# Altium PCB controller_V1.0.PcbDoc (part 6 of 8)
Units mm, origin at the board's own origin, x right, y up, seen from the top; angles counter-clockwise.
Board outline 284.13 x 175.13 mm, 4 copper layers (Top Layer, GND, VCC, Bottom Layer); 496 components, 415 nets, 1682 pads, 750 vias.
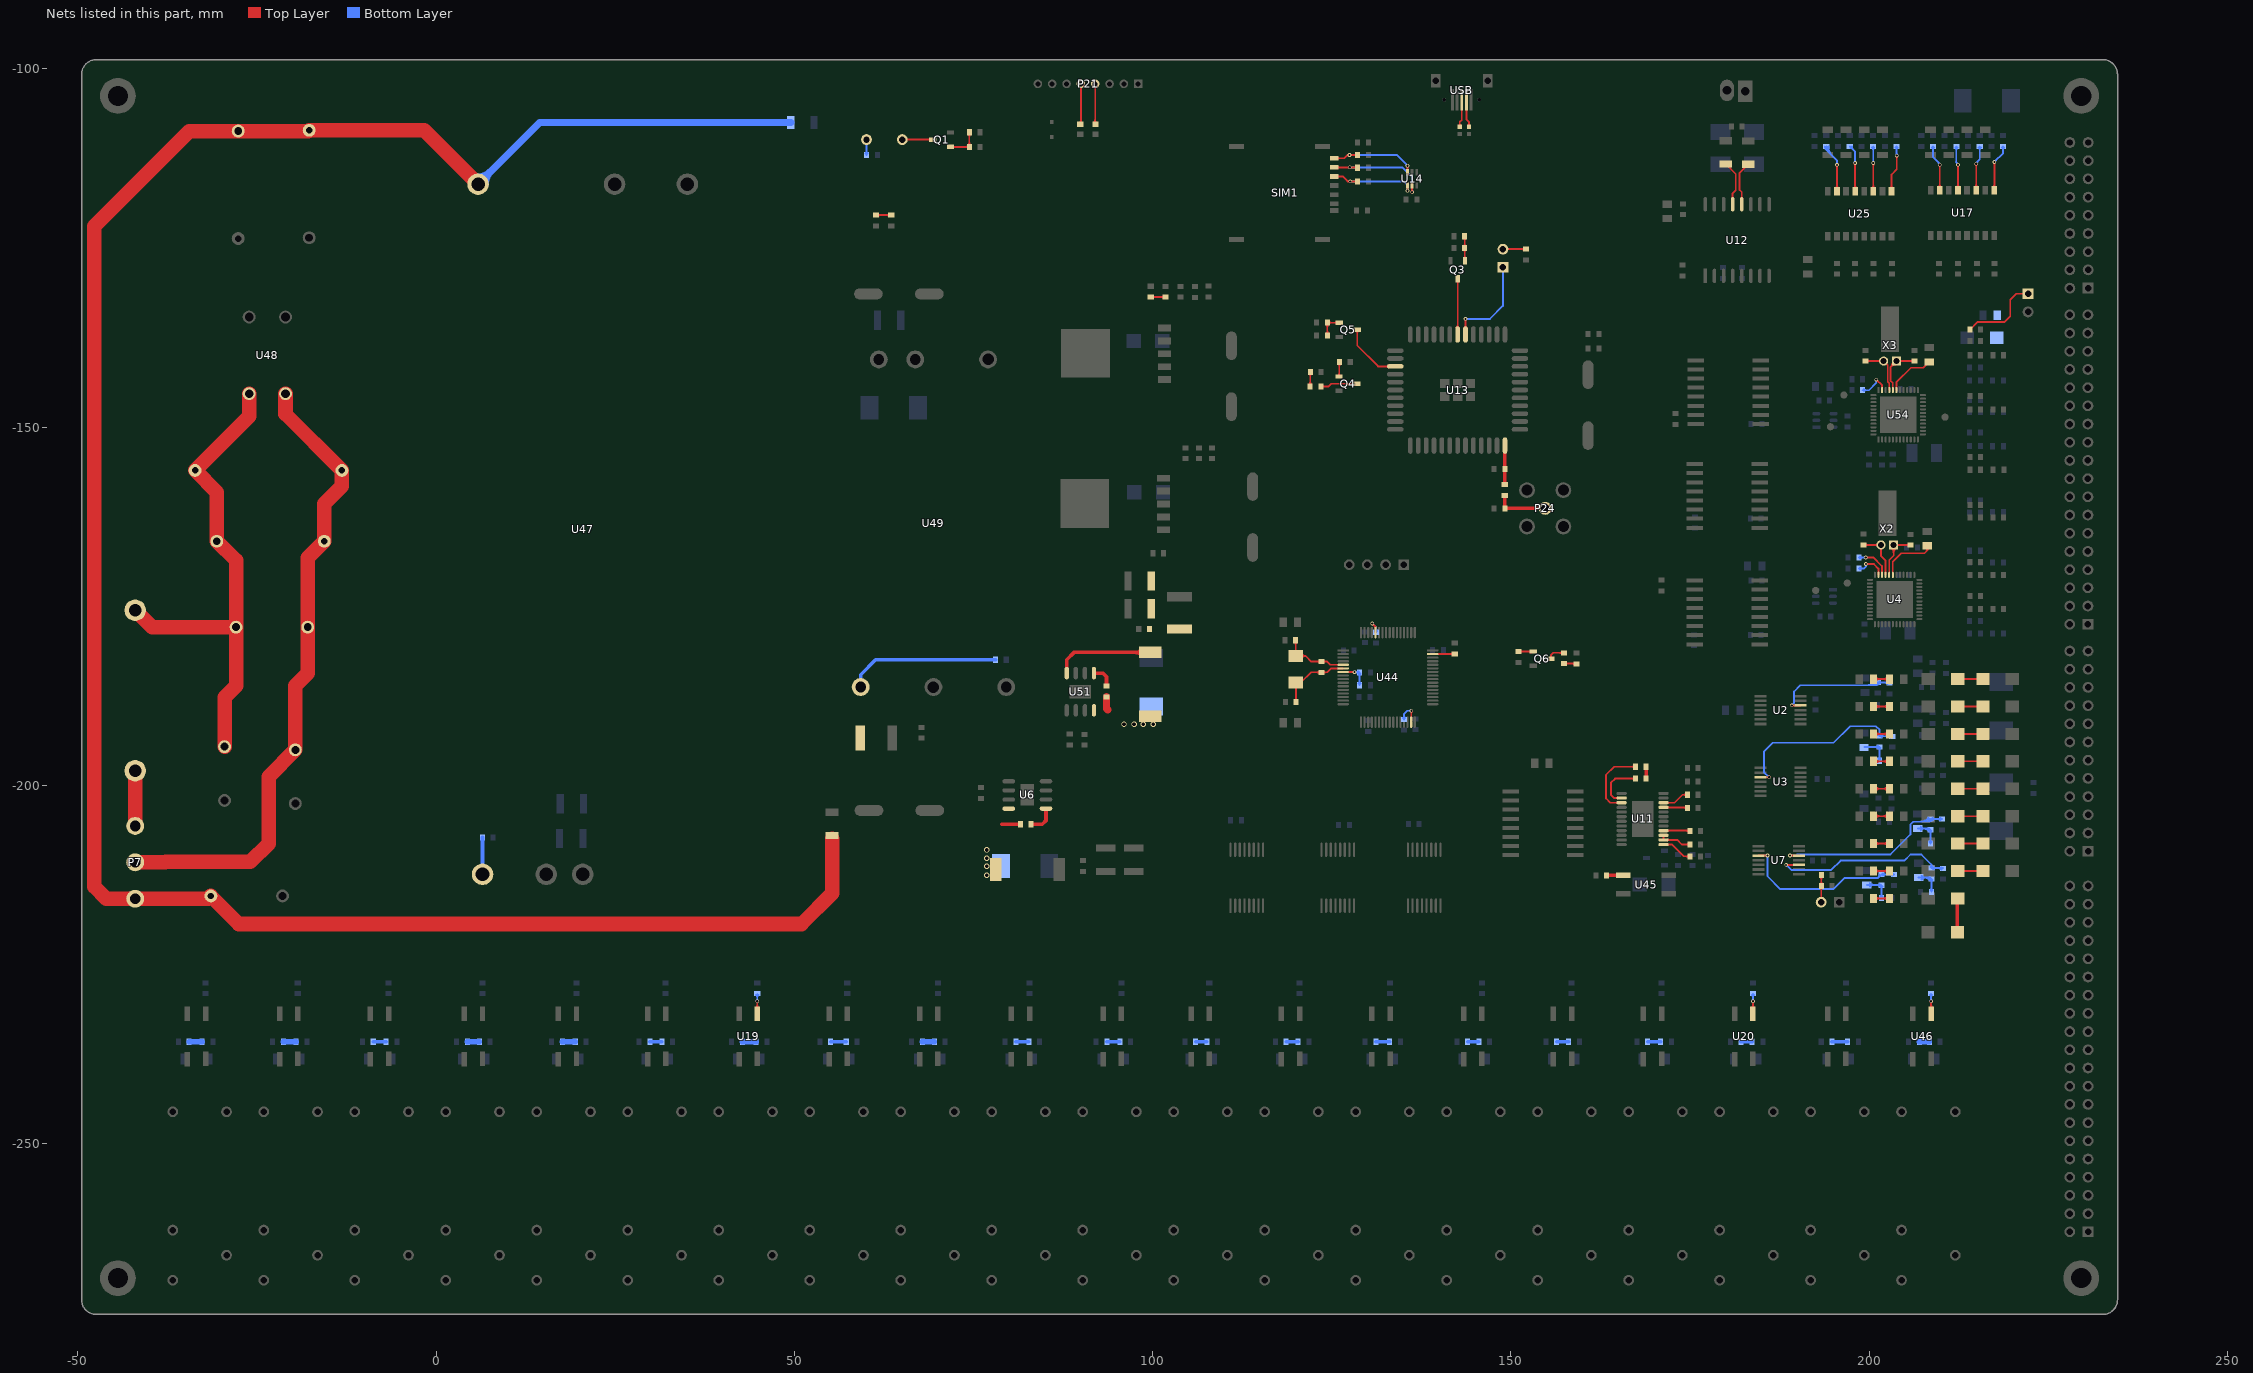
[diagram p8: the nets of this part, all layers, seen from the top]

## Via types
v1: diameter 0.508, hole 0.305, Top Layer to Bottom Layer, tented both sides, 596 vias
v2: diameter 1.016, hole 0.635, Top Layer to Bottom Layer, tented both sides, 65 vias
v3: diameter 0.6, hole 0.3, Top Layer to Bottom Layer, 50 vias
v4: diameter 0.762, hole 0.508, Top Layer to Bottom Layer, tented both sides, 29 vias
v5: diameter 2.032, hole 1.524, Top Layer to Bottom Layer, tented both sides, 4 vias
v6: diameter 3.048, hole 2.032, Top Layer to Bottom Layer, tented both sides, 3 vias
v7: diameter 1.5, hole 1, Top Layer to Bottom Layer, 2 vias
v8: diameter 2.54, hole 1.778, Top Layer to Bottom Layer, tented both sides, 1 vias

## Nets (pads, with @x,y where several pads share a name; then routed paths per layer and width w, separated by ;. In a path a pad name is that pad's centre, name@x,y a point inside that pad or via, vN(x,y) a via of type N, cw(c..) or ccw(c..) an arc to the next point about the centre after c; other vN are vias at no path point) (continued)
NetC17_2: C17.2 R30.1 U2.5 | length 22.6
  Top Layer w0.254: v1(189.207,-188.842) U2.5@190.447,-188.842 ; v1@189.297,-188.932 cw(c189.514,-189.149) 189.514,-188.842 cw(c189.514,-188.536) v1@189.297,-188.753
  Bottom Layer w0.254: v1(189.207,-188.842) 189.509,-188.54 189.509,-186.919 190.398,-186.03 200.812,-186.03 R30.1@201.193,-185.649 C17.2@202.736,-185.649 ; v1@189.207,-188.715 ccw(c189.207,-188.409) 189.424,-188.626 ccw(c189.641,-188.842) v1@189.334,-188.842 ; 199.66,-186.03 ccw(c199.66,-184.19) R30.1@200.961,-185.491 ; 200.273,-186.03 ccw(c200.273,-184.804) R30.1@201.14,-185.671 ; 200.887,-186.03 ccw(c200.887,-185.417) R30.1@201.32,-185.85 ; R30.1@201.426,-185.806 cw(c201.807,-186.187) 201.807,-185.649 cw(c201.807,-185.11) R30.1@201.426,-185.491 ; 202.01,-185.649 cw(c202.01,-186.46) C17.2@202.584,-185.886 ; C17.2@202.396,-185.649 ccw(c202.396,-185.383) C17.2@202.584,-185.571
NetC21_1: C21.1 R44.1 R45.2 | length 6.5
  Bottom Layer w0.254: C21.1@199.366,-194.642 R45.2@201.447,-194.642 R44.1@201.447,-196.571 ; R45.2@201.215,-194.799 ccw(c200.834,-195.18) 200.834,-194.642 ccw(c200.834,-194.103) R45.2@201.215,-194.484 ; R44.1@201.29,-196.338 ccw(c200.909,-195.957) 201.447,-195.957 ccw(c201.986,-195.957) R44.1@201.605,-196.338 ; R45.2@201.29,-194.799 cw(c200.909,-195.18) 201.447,-195.18 cw(c201.986,-195.18) R45.2@201.605,-194.799
NetC22_1: C22.1 R46.1 R47.2 | length 7.8
  Bottom Layer w0.254: C22.1@206.906,-212.881 R47.2@208.51,-212.881 ; C22.1@207.32,-213.144 cw(c207.956,-213.781) 207.956,-212.881 cw(c207.956,-211.98) C22.1@207.32,-212.617 ; 207.648,-212.881 cw(c207.648,-214.02) R47.2@208.454,-213.214 ; 208.261,-212.881 cw(c208.261,-213.407) R47.2@208.633,-213.035 ; R46.1@208.529,-214.626 ccw(c208.148,-214.245) 208.686,-214.245 ccw(c209.225,-214.245) R46.1@208.844,-214.626 ; R47.2@208.529,-213.214 cw(c208.148,-213.595) 208.686,-213.595 cw(c209.225,-213.595) R47.2@208.844,-213.214 ; R46.1@208.686,-214.859 R47.2@208.686,-213.057
NetC25_2: C25.2 R45.1 U3.10 | length 29.1
  Top Layer w0.254: U3.10@184.808,-198.875 v1(186.047,-198.875) ; v1@185.957,-198.965 ccw(c185.741,-199.182) 185.741,-198.875 ccw(c185.741,-198.569) v1@185.957,-198.786
  Bottom Layer w0.254: v1@185.92,-198.875 ccw(c185.614,-198.875) 185.83,-198.659 ccw(c186.047,-198.442) v1@186.047,-198.748 ; v1(186.047,-198.875) 185.318,-198.147 185.318,-195.301 186.563,-194.056 195.021,-194.056 197.333,-191.745 197.993,-191.745 200.939,-191.745 201.447,-192.253 R45.1@201.447,-193.142 C25.2@203.201,-193.142 ; R45.1@201.29,-192.984 ccw(c200.909,-192.603) 201.447,-192.603 ccw(c201.986,-192.603) R45.1@201.605,-192.984 ; R45.1@201.68,-193.299 cw(c202.061,-193.68) 202.061,-193.142 cw(c202.061,-192.603) R45.1@201.68,-192.984 ; 202.554,-193.142 cw(c202.554,-193.762) C25.2@202.993,-193.323 ; 202.67,-193.142 ccw(c202.67,-192.685) C25.2@202.993,-193.008
NetC26_2: C26.2 R47.1 U7.3 | length 29.4
  Top Layer w0.254: v1(188.412,-211.101) 188.416,-211.097 U7.3@190.193,-211.097 ; v1@188.502,-211.191 cw(c188.728,-211.417) 188.728,-211.097 ; v1@188.502,-211.011 ccw(c188.709,-210.804) 188.709,-211.097
  Bottom Layer w0.254: v1@188.412,-211.228 cw(c188.412,-211.535) 188.629,-211.318 cw(c188.846,-211.101) v1@188.539,-211.101 ; v1(188.412,-211.101) 189.121,-211.811 193.964,-211.811 194.701,-211.811 196.012,-210.5 204.917,-210.5 205.765,-209.652 207.289,-209.652 208.686,-211.049 ; R47.1@208.535,-211.392 ccw(c208.219,-211.049) 208.686,-211.049 ; R47.1@208.837,-211.392 cw(c209.153,-211.049) 208.686,-211.049 ; R47.1@208.919,-211.714 cw(c209.3,-212.095) 209.3,-211.557 cw(c209.3,-211.018) R47.1@208.919,-211.399 ; 209.638,-211.557 cw(c209.638,-212.177) C26.2@210.077,-211.738 ; 209.754,-211.557 ccw(c209.754,-211.1) C26.2@210.077,-211.423 ; C26.2@210.285,-211.557 R47.1@208.686,-211.557 208.686,-211.049
NetC29_1: C29.1 R60.1 R61.2 | length 8.2
  Bottom Layer w0.254: C29.1@206.779,-206.023 208.383,-206.023 R61.2@208.559,-206.199 R60.1@208.559,-208.128 ; C29.1@207.193,-206.286 cw(c207.829,-206.923) 207.829,-206.023 cw(c207.829,-205.122) C29.1@207.193,-205.759 ; 207.521,-206.023 cw(c207.521,-207.162) R61.2@208.327,-206.356 ; 208.134,-206.023 cw(c208.134,-206.549) R61.2@208.506,-206.177 ; R60.1@208.402,-207.895 ccw(c208.021,-207.514) 208.559,-207.514 ccw(c209.098,-207.514) R60.1@208.717,-207.895 ; R61.2@208.402,-206.356 cw(c208.021,-206.737) 208.559,-206.737 cw(c209.098,-206.737) R61.2@208.717,-206.356
NetC30_1: C30.1 R62.1 R63.2 | length 7.7
  Bottom Layer w0.254: C30.1@199.669,-213.897 R63.2@201.652,-213.897 ; C30.1@200.083,-214.16 cw(c200.72,-214.797) 200.72,-213.897 cw(c200.72,-212.996) C30.1@200.083,-213.633 ; 200.97,-213.897 cw(c200.97,-214.602) R63.2@201.469,-214.103 ; 201.206,-213.897 ccw(c201.206,-213.526) R63.2@201.469,-213.788 ; R62.1@201.544,-215.515 ccw(c201.163,-215.134) 201.701,-215.134 ccw(c202.24,-215.134) R62.1@201.859,-215.515 ; R63.2@201.544,-214.103 cw(c201.163,-214.484) 201.701,-214.484 cw(c202.24,-214.484) R63.2@201.859,-214.103 ; R62.1@201.701,-215.748 R63.2@201.701,-213.946
NetC33_2: C33.2 R61.1 U7.5 | length 31.6
  Top Layer w0.254: v1(188.953,-209.797) U7.5@190.193,-209.797 ; v1@189.043,-209.887 cw(c189.26,-210.104) 189.26,-209.797 cw(c189.26,-209.491) v1@189.043,-209.708
  Bottom Layer w0.254: v1(188.953,-209.797) 189.745,-209.797 189.89,-209.652 192.176,-209.652 ; v1@189.043,-209.887 cw(c189.26,-210.104) 189.26,-209.797 cw(c189.26,-209.491) v1@189.043,-209.708 ; 191.541,-209.652 192.176,-209.652 ; 207.026,-205.08 ccw(c207.026,-203.24) R61.1@208.327,-204.541 ; 207.639,-205.08 ccw(c207.639,-203.854) R61.1@208.506,-204.721 ; 208.253,-205.08 ccw(c208.253,-204.467) R61.1@208.686,-204.9 ; R61.1@208.792,-204.856 cw(c209.173,-205.237) 209.173,-204.699 cw(c209.173,-204.16) R61.1@208.792,-204.541 ; 209.511,-204.699 cw(c209.511,-205.319) C33.2@209.95,-204.88 ; 209.627,-204.699 ccw(c209.627,-204.242) C33.2@209.95,-204.565 ; C33.2@210.182,-204.723 210.158,-204.699 R61.1@208.559,-204.699 208.178,-205.08 206.146,-205.08 205.765,-205.461 205.765,-206.858 202.971,-209.652 192.176,-209.652
NetC34_2: C34.2 R63.1 U7.10 | length 26.8
  Top Layer w0.254: U7.10@184.554,-209.797 v1(185.808,-209.797) ; v1@185.718,-209.887 ccw(c185.501,-210.104) 185.501,-209.797 ccw(c185.501,-209.491) v1@185.718,-209.708
  Bottom Layer w0.254: v1@185.718,-209.887 cw(c185.501,-210.104) 185.808,-210.104 cw(c186.114,-210.104) v1@185.897,-209.887 ; v1(185.808,-209.797) 185.808,-212.681 187.604,-214.478 194.996,-214.478 196.52,-212.954 201.193,-212.954 R63.1@201.701,-212.446 C34.2@203.455,-212.446 ; 201.231,-212.916 ccw(c200.811,-212.496) R63.1@201.404,-212.459 ; R63.1@201.374,-212.773 cw(c201.626,-213.026) R63.1@201.626,-212.669 ; R63.1@201.934,-212.603 cw(c202.315,-212.984) 202.315,-212.446 cw(c202.315,-211.907) R63.1@201.934,-212.288 ; 202.808,-212.446 cw(c202.808,-213.066) C34.2@203.247,-212.627 ; 202.924,-212.446 ccw(c202.924,-211.989) C34.2@203.247,-212.312
NetC35_1: C35.1 U11.21 | length 4.6
  Top Layer w0.254: U11.21@171.299,-203.074 174.52,-203.074 C35.1@174.621,-203.175 ; U11.21@171.868,-203.143 cw(c172.036,-203.31) 172.036,-203.074 cw(c172.036,-202.837) U11.21@171.868,-203.004 ; 174.02,-203.074 cw(c174.02,-203.701) C35.1@174.463,-203.257 ; 174.145,-203.074 ccw(c174.145,-202.624) C35.1@174.463,-202.942
NetC38_1: C38.1 U11.16 | length 4.9
  Top Layer w0.254: U11.16@171.299,-206.324 C38.1@174.952,-206.324 ; U11.16@171.868,-206.393 cw(c172.036,-206.56) 172.036,-206.324 cw(c172.036,-206.087) U11.16@171.868,-206.254 ; 174.377,-206.324 cw(c174.377,-206.951) C38.1@174.82,-206.507 ; 174.502,-206.324 ccw(c174.502,-205.874) C38.1@174.82,-206.192
NetC39_1: C39.1 U11.14 U11.15 | length 6.6
  Top Layer w0.254: U11.14@171.23,-207.554 ccw(c171.062,-207.387) 171.299,-207.387 ccw(c171.536,-207.387) U11.14@171.368,-207.554 ; U11.15@171.23,-207.043 cw(c171.062,-207.21) 171.299,-207.21 cw(c171.536,-207.21) U11.15@171.368,-207.043 ; U11.15@171.299,-206.974 U11.14@171.299,-207.624 173.232,-207.624 173.863,-208.255 C39.1@174.978,-208.255 ; U11.14@171.868,-207.693 cw(c172.036,-207.86) 172.036,-207.624 cw(c172.036,-207.387) U11.14@171.868,-207.554 ; C39.1@174.82,-208.412 ccw(c174.44,-208.793) 174.44,-208.255 ccw(c174.44,-207.716) C39.1@174.82,-208.097
NetC41_2: C41.2 R64.1 U44.6 Y1.2 | length 12.7
  Top Layer w0.254: C41.2@119.859,-188.159 ccw(c119.478,-187.778) 120.016,-187.778 ccw(c120.555,-187.778) C41.2@120.174,-188.159 ; Y1.2@119.987,-185.64 120.709,-185.64 122.123,-184.226 R64.1@123.543,-184.226 124.384,-184.226 124.932,-183.678 U44.6@126.591,-183.678 ; C41.2@120.016,-188.392 Y1.2@120.016,-185.67 ; R64.1@123.31,-184.384 ccw(c122.93,-184.765) 122.93,-184.226 ccw(c122.93,-183.688) R64.1@123.31,-184.069 ; R64.1@123.776,-184.384 cw(c124.156,-184.765) 124.156,-184.226 cw(c124.156,-183.688) R64.1@123.776,-184.069
NetC43_1: C43.1 U4.7 | length 8.7
  Top Layer w0.254: U4.7@203.295,-170.616 203.295,-168.815 204.495,-167.615 207.721,-167.615 208.117,-167.219 ; C43.1@207.931,-166.896 cw(c207.745,-167.219) 208.117,-167.219 ; C43.1@208.117,-166.573 208.117,-167.219 ; C43.1@208.303,-166.896 ccw(c208.489,-167.219) 208.117,-167.219
NetC48_1: C48.1 U4.9 X2.1 | length 7.7
  Top Layer w0.254: C48.1@199.227,-166.446 X2.1@201.64,-166.446 201.64,-167.985 202.295,-168.64 U4.9@202.295,-170.616 ; C48.1@199.46,-166.604 cw(c199.84,-166.985) 199.84,-166.446 cw(c199.84,-165.908) C48.1@199.46,-166.289
NetC59_1: C59.1 U4.8 X2.2 | length 9.7
  Top Layer w0.254: U4.8@202.795,-170.616 202.795,-168.553 203.418,-167.93 X2.2@203.418,-166.446 ; X2.2@203.059,-166.805 cw(c202.192,-167.673) 203.418,-167.673 cw(c204.644,-167.673) X2.2@203.777,-166.805 ; X2.2@203.545,-166.573 X2.2@203.418,-166.446 ; 205.091,-166.446 cw(c205.091,-167.071) C59.1@205.533,-166.629 ; 205.213,-166.446 ccw(c205.213,-165.995) C59.1@205.533,-166.314 ; C59.1@205.765,-166.472 205.74,-166.446 X2.2@203.418,-166.446
NetC62_2: C62.2 C129.1 C131.2 C132.2 P7.3 R177.1 U47.3 | length 320.7
  Top Layer w0.762: C62.2@55.268,-207.493 C62.2@55.268,-207.009
  Top Layer w2.032: P7.3@-41.986,-215.824 -31.803,-215.824 R177.1@-31.422,-215.443 -27.511,-219.354 51.003,-219.354 55.268,-215.09 C62.2@55.268,-207.493 ; P7.3@-41.986,-215.798 -46.05,-215.798 -47.727,-214.122 -47.727,-121.996 -34.428,-108.698 C131.2@-27.612,-108.698 -17.819,-108.698 C129.1@-17.706,-108.585 -1.654,-108.585 U47.3@5.865,-116.103
  Bottom Layer w1.016: U47.3@5.865,-116.103 14.475,-107.493 C132.2@49.506,-107.493 ; U47.3@5.865,-115.111 ccw(c5.865,-112.717) 7.558,-114.41 ccw(c9.252,-116.103) U47.3@6.857,-116.103
NetC87_2: C87.2 R123.1 | length 1.9
  Bottom Layer w0.762: R123.1@42.747,-235.788 C87.2@44.676,-235.788
NetC88_2: C88.2 R125.1 | length 1.5
  Bottom Layer w0.508: R125.1@182.114,-235.788 C88.2@183.662,-235.788
NetC89_2: C89.2 R126.1 | length 1.7
  Bottom Layer w0.508: R126.1@29.841,-235.788 C89.2@31.516,-235.788
NetC90_2: C90.2 R122.1 | length 1.4
  Bottom Layer w0.762: R122.1@206.998,-235.788 C90.2@208.419,-235.788
NetC91_2: C91.2 R129.1 | length 2.2
  Bottom Layer w0.508: R129.1@194.814,-235.788 C91.2@196.997,-235.788
NetC92_2: C92.2 R130.1 | length 1.8
  Bottom Layer w0.762: R130.1@17.624,-235.788 C92.2@19.426,-235.788
NetC93_2: C93.2 R133.1 | length 1.8
  Bottom Layer w0.508: R133.1@169.086,-235.788 C93.2@170.888,-235.788
NetC94_2: C94.2 R134.1 | length 1.7
  Bottom Layer w0.762: R134.1@4.365,-235.788 C94.2@6.04,-235.788
NetC95_2: C95.2 R137.1 | length 1.7
  Bottom Layer w0.508: R137.1@156.384,-235.788 C95.2@158.059,-235.788
NetC96_1: C96.1 U11.22 | length 5
  Top Layer w0.254: U11.22@171.299,-202.424 172.836,-202.424 173.948,-201.312 C96.1@174.621,-201.312 ; U11.22@171.868,-202.493 cw(c172.036,-202.66) 172.036,-202.424 cw(c172.036,-202.187) U11.22@171.868,-202.354 ; C96.1@174.463,-201.47 ccw(c174.083,-201.85) 174.083,-201.312 ccw(c174.083,-200.774) C96.1@174.463,-201.154
NetC97_2: C97.2 R138.1 | length 1.8
  Bottom Layer w0.508: R138.1@-8.765,-235.788 C97.2@-6.963,-235.788
NetC98_2: C98.2 R141.1 | length 1.5
  Bottom Layer w0.508: R141.1@143.969,-235.788 C98.2@145.517,-235.788
NetC101_2: C101.2 R143.1 | length 1.8
  Bottom Layer w0.762: R143.1@-21.314,-235.788 C101.2@-19.512,-235.788
NetC102_2: C102.2 R145.1 | length 1.9
  Bottom Layer w0.508: R145.1@131.162,-235.788 C102.2@133.091,-235.788
NetC103_2: C103.2 R146.1 | length 1.8
  Bottom Layer w0.762: R146.1@-34.445,-235.788 C103.2@-32.643,-235.788
NetC104_2: C104.2 R149.1 | length 1.7
  Bottom Layer w0.508: R149.1@118.64,-235.788 C104.2@120.315,-235.788
NetC106_2: C106.2 R151.1 | length 1.5
  Bottom Layer w0.508: R151.1@106.016,-235.788 C106.2@107.564,-235.788
NetC107_2: C107.2 R153.1 | length 1.8
  Bottom Layer w0.508: R153.1@93.621,-235.788 C107.2@95.423,-235.788
NetC109_2: C109.2 R155.1 | length 1.8
  Bottom Layer w0.508: R155.1@80.921,-235.788 C109.2@82.723,-235.788
NetC110_2: C110.2 R157.1 | length 1.7
  Bottom Layer w0.762: R157.1@67.865,-235.788 C110.2@69.54,-235.788
NetC111_2: C111.2 R159.1 | length 2.2
  Bottom Layer w0.508: R159.1@55.064,-235.788 C111.2@57.247,-235.788
NetC116_1: C116.1 R40.1 U13.35 | length 5.5
  Top Layer w0.508: R40.1@149.146,-158.039 149.168,-158.017 U13.35@149.168,-152.581
NetC117_1: C117.1 P24.1 R40.2 | length 7.4
  Top Layer w0.508: R40.2@149.146,-159.539 149.146,-161.338 C117.1@149.149,-161.341 P24.1@154.788,-161.341
NetC118_2: C118.2 R64.2 U44.5 Y1.1 | length 13.2
  Top Layer w0.254: C118.2@119.808,-179.988 cw(c119.427,-180.369) 119.966,-180.369 cw(c120.504,-180.369) C118.2@120.123,-179.988 ; C118.2@119.966,-179.756 119.966,-181.919 Y1.1@119.987,-181.94 121.333,-181.94 ; Y1.1@120.777,-182.276 cw(c121.333,-182.568) 121.333,-181.94 ; Y1.1@120.777,-181.604 ccw(c121.333,-181.313) 121.333,-181.94 ; R64.2@123.31,-182.884 ccw(c122.93,-183.265) 122.93,-182.726 ccw(c122.93,-182.188) R64.2@123.31,-182.569 ; R64.2@123.776,-182.884 cw(c124.156,-183.265) 124.156,-182.726 cw(c124.156,-182.188) R64.2@123.776,-182.569 ; U44.5@126.591,-183.178 124.809,-183.178 124.357,-182.726 R64.2@123.543,-182.726 122.119,-182.726 121.333,-181.94
NetC119_2: C119.2 U44.31 | length 5.2
  Top Layer w0.254: U44.31@136.091,-191.178 v1@136.091,-189.583 ; 136.091,-189.966 cw(c136.492,-189.966) v1@136.208,-189.683
  Bottom Layer w0.254: C119.2@134.933,-190.634 ccw(c134.553,-190.253) 135.091,-190.253 ccw(c135.629,-190.253) C119.2@135.249,-190.634 ; C119.2@135.091,-190.792 135.091,-190.029 135.527,-189.593 v1(136.119,-189.593) ; v1@136.029,-189.683 ccw(c135.812,-189.9) 135.812,-189.593 ccw(c135.812,-189.287) v1@136.029,-189.503
NetC120_2: C120.2 R168.1 U44.7 | length 7.2
  Top Layer w0.254: U44.7@126.591,-184.178 v1@128.173,-184.178 ; 127.815,-184.178 cw(c127.815,-184.562) v1@128.086,-184.291
  Bottom Layer w0.254: v1(128.176,-184.201) 128.201,-184.226 R168.1@128.877,-184.226 C120.2@128.878,-186.03 ; v1@128.266,-184.111 ccw(c128.544,-183.833) R168.1@128.544,-184.226 ; R168.1@128.719,-184.459 cw(c128.339,-184.84) 128.877,-184.84 cw(c129.415,-184.84) R168.1@129.035,-184.459 ; R168.1@128.719,-184.384 ccw(c128.339,-184.765) 128.339,-184.226 ccw(c128.339,-183.688) R168.1@128.719,-184.069 ; C120.2@128.721,-185.797 ccw(c128.343,-185.419) 128.877,-185.419 ; 128.877,-185.413 ccw(c129.419,-185.413) C120.2@129.036,-185.797
NetC122_2: C122.2 U44.47 | length 3.9
  Top Layer w0.254: U44.47@139.091,-181.678 C122.2@142.148,-181.678 ; 141.512,-181.678 ccw(c141.512,-181.085) C122.2@141.931,-181.505 ; 141.589,-181.678 cw(c141.589,-182.162) C122.2@141.931,-181.82
NetC130_1: C130.1 P7.2 R174.2 R175.1 R176.1 U48.2 | length 90
  Top Layer w2.032: P7.2@-41.986,-210.744 -37.77,-210.744 -37.719,-210.693 -25.936,-210.693 -23.371,-208.128 -23.371,-198.78 R176.1@-19.637,-195.047 -19.637,-186.106 -17.91,-184.379 R175.1@-17.91,-177.927 -17.91,-168.25 C130.1@-15.598,-165.938 -15.598,-160.731 -13.132,-158.265 R174.2@-13.132,-156.058 -21.008,-148.181 U48.2@-21.008,-145.345
NetC130_2: C130.2 F3.2 R173.2 R174.1 R175.2 U48.3 | length 70.5
  Top Layer w2.032: F3.2@-41.989,-175.568 -39.629,-177.927 R175.2@-27.91,-177.927 ; R173.2@-29.517,-194.608 -29.517,-187.734 -27.91,-186.126 R175.2@-27.91,-177.927 ; U48.3@-26.088,-145.345 -26.088,-148.514 R174.1@-33.632,-156.058 -30.598,-159.092 C130.2@-30.598,-165.938 -27.91,-168.627 R175.2@-27.91,-177.927
NetC137_1: C137.1 D4.2 L3.1 U6.8 | length 2.6
  Top Layer w0.508: 78.966,-205.435 C137.1@81.557,-205.435
  other v4: 76.832,-212.573 76.832,-211.303 76.832,-210.16 76.832,-209.017
NetC137_2: C137.2 U6.1 | length 3.9
  Top Layer w0.508: C137.2@83.057,-205.435 84.605,-205.435 85.122,-204.918 U6.1@85.122,-203.251
NetC139_1: C139.1 D70.2 L1.1 U51.8 | length 1.9
  Top Layer w1.016: C139.1@93.571,-187.655 93.571,-189.306 93.723,-189.459
  other v4: 96.009,-191.491 97.406,-191.491 98.676,-191.491 100.073,-191.491
NetC139_2: C139.2 U51.1 | length 3.3
  Top Layer w0.508: U51.1@91.818,-184.338 93.048,-184.338 93.571,-184.861 C139.2@93.571,-186.155
NetC143_1: C143.1 C144.1 C145.1 F5.1 L1.2 U51.4 | length 16
  Top Layer w0.508: U51.4@88.008,-184.338 88.008,-182.474 89.03,-181.452 L1.2@99.672,-181.452 ; L1.2@98.486,-181.838 ccw(c97.554,-182.77) 97.554,-181.452 ccw(c97.554,-180.134) L1.2@98.486,-181.066
NetC151_1: C151.1 U54.7 | length 6.8
  Top Layer w0.254: U54.7@203.803,-144.835 203.803,-143.771 205.842,-141.732 206.146,-141.732 207.558,-141.732 C151.1@208.371,-140.919
NetC153_1: C153.1 U54.9 X3.1 | length 7.8
  Top Layer w0.254: C153.1@199.481,-140.792 X3.1@202.021,-140.792 202.59,-141.362 202.59,-143.668 202.803,-143.88 U54.9@202.803,-144.835 ; C153.1@199.714,-140.95 cw(c200.094,-141.331) 200.094,-140.792 cw(c200.094,-140.254) C153.1@199.714,-140.635
NetC159_1: C159.1 U54.8 X3.2 | length 9.7
  Top Layer w0.254: X3.2@203.291,-140.809 cw(c202.198,-140.846) 202.971,-141.62 ; U54.8@203.303,-144.835 203.303,-143.842 202.971,-143.51 202.971,-141.62 ; X3.2@203.782,-141.3 ccw(c203.745,-142.393) 202.971,-141.62 ; C159.1@206.106,-140.95 ccw(c205.726,-141.331) 205.726,-140.792 ccw(c205.726,-140.254) C159.1@206.106,-140.635 ; C159.1@206.339,-140.792 X3.2@203.799,-140.792 202.971,-141.62
NetD1_2: D1.2 D12.1 | length 3.5
  Top Layer w0.254: D12.1@212.359,-185.174 D1.2@215.879,-185.174
NetD2_2: D2.2 D3.1 | length 3.5
  Top Layer w0.254: D3.1@212.359,-189 D2.2@215.879,-189